# Allegro board 6089-103-RevB_76.brd (continued)
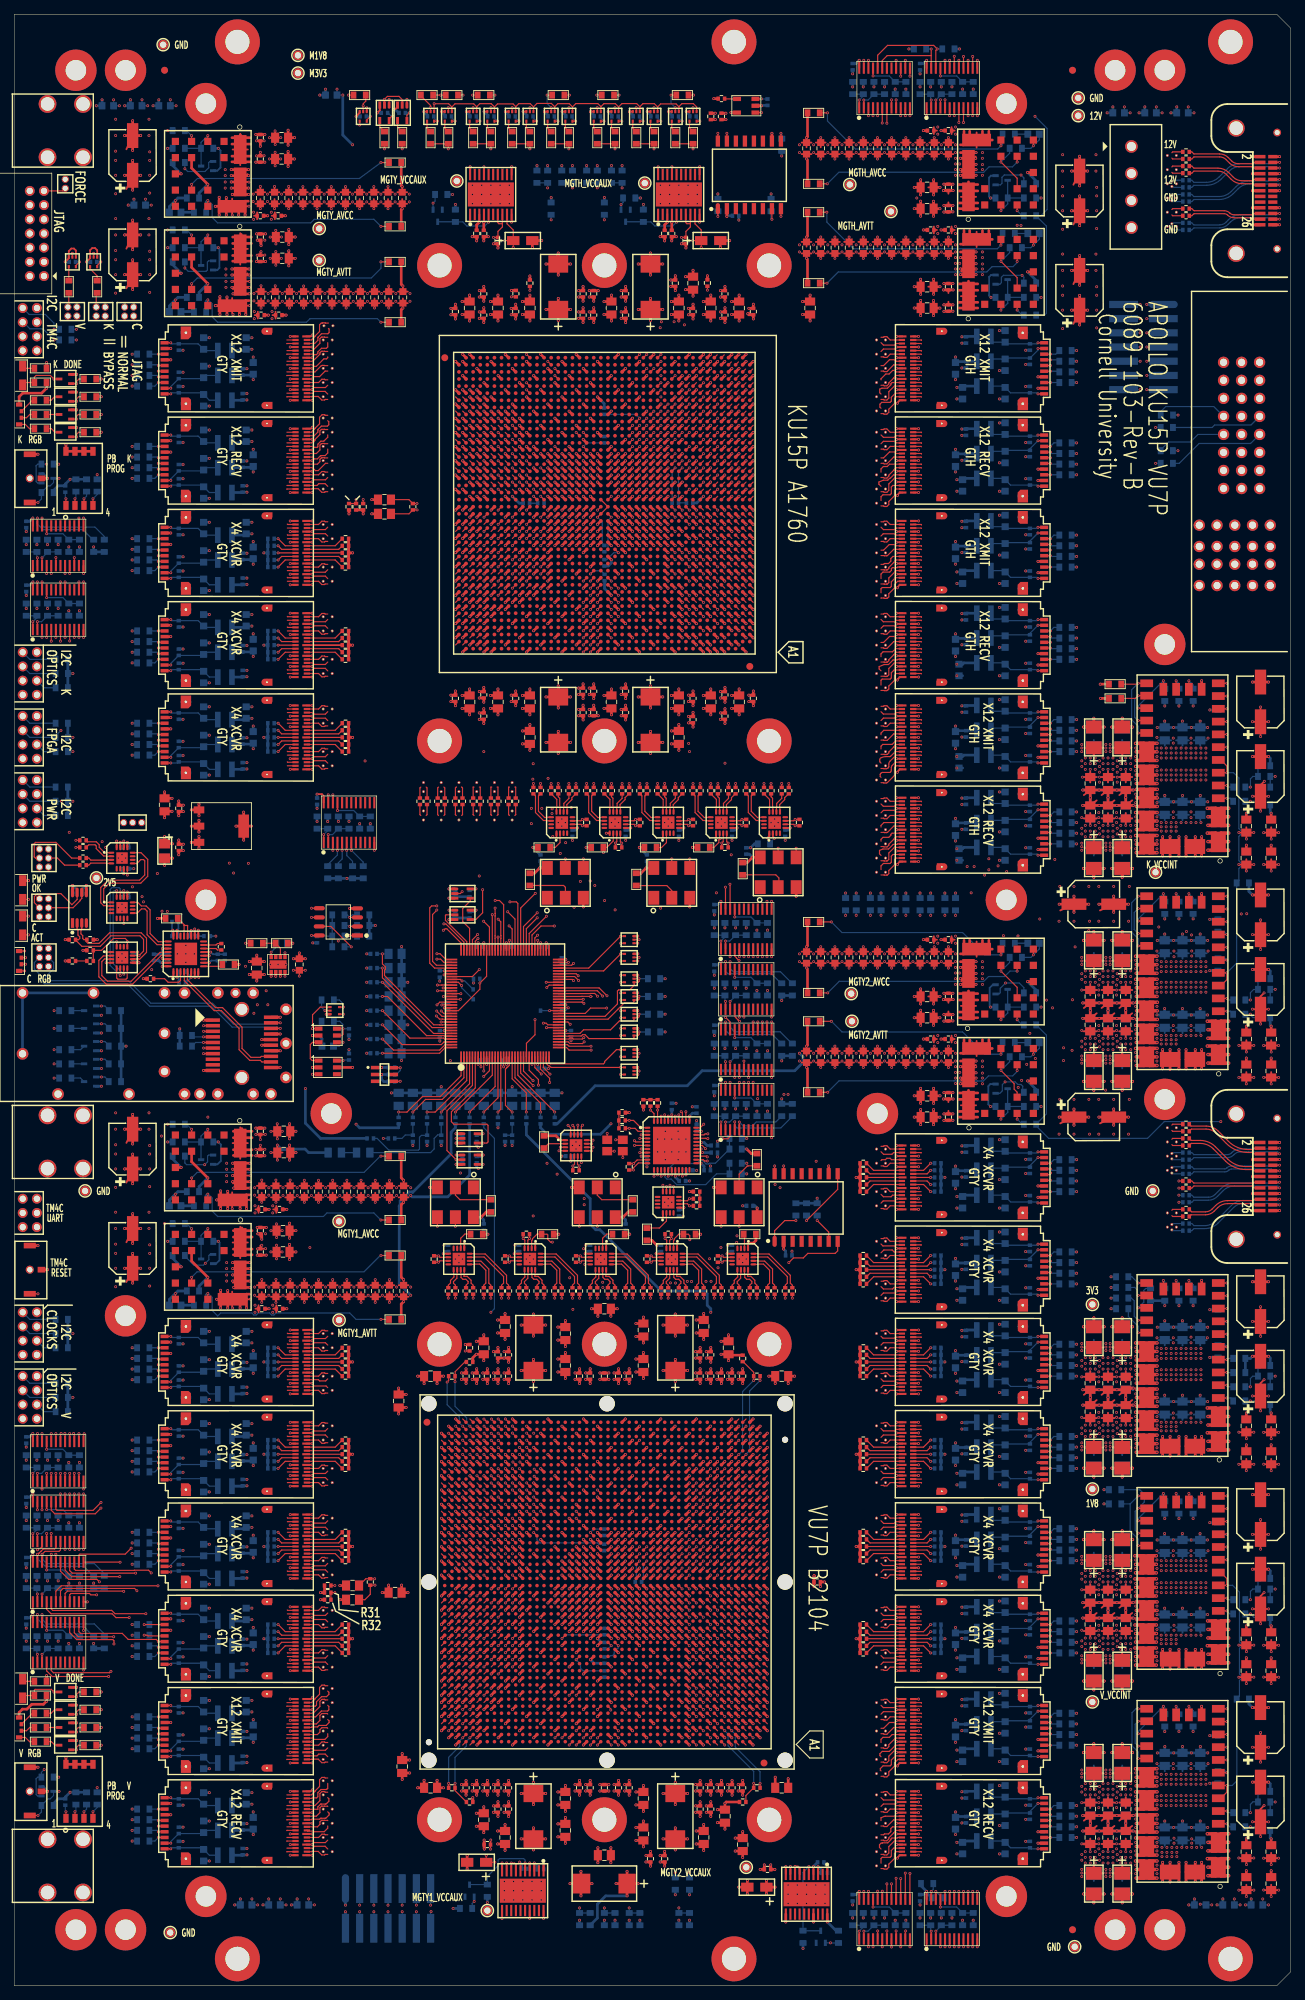
[diagram p0: board, top side]
## Routing (per net, layer and track width the routed paths; a pad name or vN(x,y) marks a point on that pad's centre or on a via; arc(x,y) is an arc through that point) (continued)
PK_FF1_RECV7: length 49.8
  TOP w0.165: U65.H2 103.17,194.93 ; U109.B9 127.85,162.4 127.9,162.35 127.9,162.38
  SIG2 w0.083: 103.17,194.93 103.49,194.93 103.57,195.01 103.57,195.25 arc(103.59,195.37) 103.65,195.46 103.69,195.49 arc(103.78,195.56) 103.9,195.58 104.39,195.58 arc(104.61,195.54) 104.8,195.41 107.98,192.23 arc(108.69,191.18) 108.93,189.93 108.93,186.09 arc(109.27,184.38) 110.24,182.93 112.59,180.57 arc(113.73,178.87) 114.13,176.86 114.13,171.26 arc(114.43,169.75) 115.29,168.47 121.43,162.33 arc(121.66,162.18) 121.93,162.12 124.94,162.12 arc(125.49,162.17) 126.03,162.32 arc(126.09,162.34) 126.16,162.36 arc(126.23,162.38) 126.3,162.38 127.9,162.38
PK_FF1_RECV8: length 51.6
  TOP w0.165: 122.2,159.28 121.99,159.49 121.99,159.98 122.46,160.17 123.26,160.17 123.91,160.82 124.47,160.82 124.55,160.9 U109.A6 ; U65.G4 101.17,193.93
  SIG4 w0.083: 101.17,193.93 101.49,193.93 101.57,194.01 101.57,194.16 arc(101.59,194.27) 101.65,194.36 101.7,194.41 arc(101.79,194.47) 101.91,194.5 104.28,194.5 arc(104.58,194.44) 104.83,194.27 106.99,192.11 arc(108,190.6) 108.35,188.82 108.35,188.3 arc(108.64,186.82) 109.49,185.56 113.32,181.73 arc(114.13,180.52) 114.41,179.09 114.41,167.19 arc(114.71,165.68) 115.57,164.39 120.91,159.05 arc(120.95,159.02) 121.01,159.01 121.11,159.01 arc(121.15,159.02) 121.17,159.03 121.32,159.18 arc(121.42,159.25) 121.54,159.27 122.19,159.27 122.2,159.28
PK_FF1_RECV9: length 50.2
  TOP w0.165: U65.F2 103.17,192.93 ; U109.B6 127.85,160.9 127.9,160.85 127.9,160.88
  SIG2 w0.083: 127.9,160.88 127.61,160.88 127.45,160.72 124.65,160.72 arc(124.26,160.64) 123.93,160.43 123.86,160.35 arc(123.6,160.18) 123.31,160.12 122.15,160.12 arc(121.76,160.2) 121.42,160.42 113.57,168.27 arc(112.92,169.24) 112.7,170.38 112.7,170.38 112.7,177.53 arc(112.45,178.79) 111.73,179.87 109.14,182.45 arc(108.13,183.96) 107.78,185.75 107.78,189.63 arc(107.59,190.58) 107.06,191.38 105.18,193.26 arc(104.82,193.5) 104.41,193.58 103.9,193.58 arc(103.78,193.56) 103.69,193.49 103.65,193.46 arc(103.59,193.37) 103.57,193.25 103.57,193.01 103.49,192.93 103.17,192.93
PK_FF1_RECV10: length 52.3
  TOP w0.165: U109.A3 123.89,159.4 123.65,159.16 123.65,158.31 123.48,158.14 122.54,158.14 122.2,157.8 122.2,157.28 ; U65.E4 101.17,191.93
  SIG4 w0.083: 122.2,157.28 121.42,157.28 arc(121.29,157.26) 121.17,157.19 121.08,157.11 arc(121,157.06) 120.91,157.04 120.55,157.04 arc(120.49,157.05) 120.43,157.09 114.52,163 arc(113.52,164.04) 112.58,165.13 111.11,166.89 arc(110.7,167.5) 110.41,168.17 110.32,168.49 arc(110.08,169.52) 110,170.58 110,179.12 arc(109.74,180.44) 108.99,181.56 105.96,184.59 arc(105.33,185.53) 105.11,186.65 105.11,191.75 arc(105.06,191.99) 104.93,192.18 104.69,192.42 arc(104.54,192.52) 104.36,192.56 101.86,192.56 101.76,192.52 101.73,192.52 101.71,192.5 arc(101.69,192.47) 101.67,192.45 arc(101.6,192.31) 101.57,192.15 101.57,192.01 101.49,191.93 101.17,191.93
PK_FF1_RECV11: length 50.4
  TOP w0.165: 127.9,159.38 127.9,159.35 127.85,159.4 U109.B3 ; U65.D2 103.17,190.93
  SIG2 w0.083: 103.17,190.93 103.49,190.93 103.57,191.01 103.57,191.23 arc(103.59,191.34) 103.65,191.44 103.69,191.47 arc(103.78,191.53) 103.9,191.56 104.43,191.56 arc(104.63,191.52) 104.79,191.41 104.83,191.37 arc(104.98,191.14) 105.04,190.87 105.04,186.27 arc(105.28,185.07) 105.96,184.05 110.52,179.48 arc(111.24,178.4) 111.5,177.12 111.5,169.21 arc(111.68,168.31) 112.19,167.55 121.27,158.47 arc(121.68,158.2) 122.15,158.1 122.65,158.1 arc(123.36,158.24) 123.96,158.64 124.03,158.72 arc(124.59,159.09) 125.26,159.22 127.45,159.22 127.61,159.38 127.9,159.38
PK_FF1_XMIT0: length 44.3
  TOP w0.165: U108.B18 127.85,179.9 127.9,179.85 127.9,179.88 ; U65.R8 97.17,201.93
  SIG3 w0.083: 127.9,179.88 127.74,179.72 125.01,179.72 arc(124.61,179.8) 124.27,180.03 123.67,180.63 arc(123.39,180.82) 123.05,180.88 122.82,180.88 arc(122.53,180.94) 122.3,181.1 118.56,184.84 arc(117.9,185.82) 117.67,186.97 117.67,188.4 arc(117.49,189.34) 116.95,190.14 104.92,202.17 arc(104.58,202.4) 104.17,202.48 97.97,202.48 arc(97.86,202.46) 97.76,202.4 97.74,202.37 arc(97.67,202.27) 97.65,202.16 97.65,201.94 97.64,201.93 97.17,201.93
PK_FF1_XMIT1: length 39.8
  TOP w0.165: U108.A18 123.49,179.9 123.03,180.36 122.64,180.36 122.56,180.28 122.2,180.28 ; U65.P6 99.17,200.93
  SIG1 w0.083: 99.17,200.93 99.49,200.93 99.57,201.01 99.57,201.25 arc(99.59,201.37) 99.65,201.46 99.69,201.49 arc(99.78,201.56) 99.9,201.58 104.43,201.58 arc(105.64,201.34) 106.66,200.65 115.84,191.48 arc(117.3,189.3) 117.81,186.72 117.81,183.76 arc(118.02,182.72) 118.6,181.84 120.3,180.15 arc(120.48,180.03) 120.7,179.98 120.89,179.98 arc(121.04,180.01) 121.17,180.1 121.25,180.18 arc(121.36,180.25) 121.5,180.28 122.2,180.28
PK_FF1_XMIT2: length 44.5
  TOP w0.165: U65.N8 97.17,199.93 ; U108.B15 127.85,178.4 127.9,178.35 127.9,178.38
  SIG3 w0.083: 97.17,199.93 97.49,199.93 97.57,200.01 97.57,200.16 arc(97.57,200.23) 97.59,200.31 arc(97.61,200.37) 97.64,200.42 arc(97.75,200.54) 97.91,200.58 103.93,200.58 arc(104.47,200.47) 104.94,200.16 115.25,189.85 arc(115.93,188.83) 116.17,187.63 116.17,185.73 arc(116.4,184.58) 117.05,183.6 121.3,179.35 arc(121.67,179.11) 122.1,179.02 123.39,179.02 arc(123.75,178.95) 124.05,178.75 124.33,178.46 arc(124.6,178.28) 124.91,178.22 127.71,178.22 127.87,178.38 127.9,178.38
PK_FF1_XMIT3: length 39.8
  TOP w0.165: U108.A15 124.34,178.4 124.12,178.62 122.54,178.62 122.2,178.28 ; U65.M6 99.17,198.93
  SIG1 w0.083: 99.17,198.93 99.49,198.93 99.57,199.01 99.57,199.22 arc(99.59,199.34) 99.65,199.43 99.69,199.46 arc(99.78,199.53) 99.9,199.55 103.93,199.55 arc(104.18,199.52) 104.43,199.45 105.94,198.83 arc(106.52,198.51) 107.04,198.09 114.57,190.56 arc(114.58,190.55) 114.59,190.54 arc(115.61,189.02) 115.97,187.22 115.97,183.83 arc(116.27,182.31) 117.13,181.02 119.94,178.21 arc(120.19,178.04) 120.49,177.98 120.92,177.98 arc(121.04,178.01) 121.14,178.08 121.26,178.19 arc(121.36,178.26) 121.48,178.28 122.2,178.28
PK_FF1_XMIT4: length 44.4
  TOP w0.165: U108.B12 127.85,176.9 127.9,176.85 127.9,176.88 ; U65.L8 97.17,197.93
  SIG3 w0.083: 127.9,176.88 127.74,176.72 123.63,176.72 arc(123.49,176.75) 123.37,176.83 123.33,176.87 arc(123.16,176.98) 122.95,177.03 121.81,177.03 arc(121.64,177.06) 121.49,177.16 115.46,183.19 arc(114.9,184.03) 114.7,185.03 114.7,187.32 arc(114.48,188.43) 113.85,189.38 105.05,198.18 arc(104.69,198.42) 104.27,198.5 97.9,198.5 arc(97.78,198.48) 97.69,198.41 97.65,198.38 arc(97.59,198.28) 97.57,198.17 97.57,198.01 97.49,197.93 97.17,197.93
PK_FF1_XMIT5: length 40
  TOP w0.165: 122.2,176.28 122.2,176.51 122.59,176.9 U108.A12 ; U65.K6 99.17,196.93
  SIG1 w0.083: 122.2,176.28 121.43,176.28 arc(121.34,176.26) 121.26,176.21 121.13,176.08 arc(121.01,176) 120.86,175.97 120.66,175.97 arc(120.3,176.04) 120,176.24 115.43,180.82 arc(114.51,182.19) 114.19,183.82 114.19,187.28 arc(113.84,189) 112.87,190.46 arc(112.86,190.46) 112.85,190.47 107.2,196.13 arc(106.68,196.55) 106.09,196.87 105.11,197.27 arc(104.46,197.47) 103.77,197.54 99.83,197.54 arc(99.71,197.52) 99.62,197.45 99.59,197.42 arc(99.52,197.33) 99.5,197.21 99.5,197.03 99.4,196.93 99.17,196.93
PK_FF1_XMIT6: length 44.4
  TOP w0.165: U65.J8 97.21,195.89 ; U108.B9 127.89,175.4
  SIG3 w0.083: 97.21,195.89 97.52,195.89 97.6,195.97 97.6,196.21 arc(97.63,196.36) 97.71,196.48 97.72,196.49 arc(97.82,196.56) 97.94,196.58 103.94,196.58 arc(104.75,196.42) 105.43,195.96 111.88,189.51 arc(112.72,188.26) 113.01,186.79 113.01,184.81 arc(113.2,183.85) 113.74,183.04 121.59,175.2 arc(121.74,175.09) 121.91,175.06 122.48,175.06 arc(122.56,175.07) 122.62,175.11 122.63,175.13 arc(122.75,175.21) 122.89,175.24 127.73,175.24 127.89,175.4
PK_FF1_XMIT7: length 40.3
  TOP w0.165: U65.H6 99.17,194.93 ; 122.2,174.28 122.2,174.67 122.45,174.92 123.77,174.92 124.25,175.4 U108.A9
  SIG1 w0.083: 122.2,174.28 121.44,174.28 arc(121.33,174.26) 121.24,174.2 121.14,174.1 arc(121.04,174.03) 120.93,174.01 120.71,174.01 arc(120.27,174.1) 119.9,174.34 113.48,180.77 arc(112.53,182.18) 112.2,183.86 112.2,187.25 arc(111.83,189.12) 110.76,190.71 arc(110.75,190.72) 110.75,190.73 107.19,194.28 arc(106.73,194.67) 106.19,194.95 105.22,195.36 arc(104.78,195.49) 104.32,195.53 99.9,195.53 arc(99.78,195.51) 99.69,195.45 99.65,195.42 arc(99.59,195.32) 99.57,195.21 99.57,195.01 99.49,194.93 99.17,194.93
PK_FF1_XMIT8: length 47.3
  TOP w0.165: 127.9,173.88 127.9,173.85 127.85,173.9 U108.B6 ; U65.H10 95.17,194.93
  SIG3 w0.083: 127.9,173.88 127.69,173.68 123.9,173.68 arc(123.51,173.6) 123.18,173.38 123.02,173.22 arc(122.81,173.08) 122.56,173.03 122.02,173.03 arc(121.74,173.09) 121.49,173.25 112.1,182.64 arc(111.55,183.46) 111.36,184.43 111.36,187.21 111.38,187.25 111.36,187.29 110.55,189.33 110.55,189.34 110.52,189.36 110.52,189.43 107.3,192.65 104.63,195.32 arc(104.38,195.49) 104.08,195.54 95.9,195.54 arc(95.78,195.52) 95.69,195.46 95.68,195.45 arc(95.61,195.35) 95.59,195.24 95.59,195.03 95.49,194.93 95.17,194.93
PK_FF1_XMIT9: length 43.8
  TOP w0.165: U108.A6 124.35,173.9 arc(124.22,173.87) 124.11,173.8 123.55,173.24 arc(123.5,173.21) 123.44,173.2 122.87,173.2 arc(122.55,173.16) 122.24,173.05 arc(122.08,172.94) 122.02,172.76 122.02,172.53 arc(122.03,172.47) 122.07,172.41 122.2,172.28 ; U65.G8 97.17,193.93
  SIG1 w0.083: 97.17,193.93 97.49,193.93 97.57,194.01 97.57,194.35 97.77,194.56 104.15,194.56 arc(105.06,194.38) 105.84,193.86 109.48,190.22 arc(110.42,188.81) 110.75,187.15 110.75,183.13 arc(111.13,181.2) 112.22,179.57 119.45,172.35 arc(119.83,172.09) 120.28,172 120.84,172 arc(120.98,172.03) 121.11,172.12 121.16,172.17 arc(121.28,172.25) 121.44,172.28 122.2,172.28
PK_FF1_XMIT10: length 43.8
  TOP w0.165: U65.F6 99.17,192.93 ; 127.9,172.38 127.9,172.35 127.85,172.4 U108.B3
  SIG3 w0.083: 127.9,172.38 127.74,172.22 124.18,172.22 arc(123.85,172.16) 123.57,171.97 122.84,171.24 arc(122.63,171.1) 122.39,171.05 121.94,171.05 arc(121.75,171.09) 121.59,171.19 110.59,182.2 arc(110.19,182.79) 110.05,183.49 110.05,186.75 arc(109.79,188.07) 109.04,189.19 105.06,193.17 arc(104.61,193.47) 104.06,193.58 99.94,193.58 arc(99.68,193.47) 99.57,193.21 99.57,193.01 99.49,192.93 99.17,192.93
PK_FF1_XMIT11: length 46.9
  TOP w0.165: U65.F10 95.17,192.93 ; 122.2,170.28 122.08,170.4 122.08,170.68 arc(122.1,170.74) 122.13,170.79 122.22,170.88 arc(122.31,170.94) 122.42,170.96 123.43,170.96 arc(123.51,170.99) 123.58,171.05 arc(123.63,171.17) 123.65,171.31 123.65,171.64 arc(123.68,171.8) 123.77,171.94 124.13,172.3 arc(124.24,172.37) 124.37,172.4 U108.A3
  SIG1 w0.083: 122.2,170.28 121.49,170.28 arc(121.36,170.26) 121.26,170.19 121.16,170.09 arc(121.07,170.03) 120.96,170 120.41,170 arc(119.84,170.12) 119.35,170.44 110.6,179.2 arc(109.5,180.85) 109.11,182.79 109.11,187.37 arc(108.83,188.78) 108.03,189.98 104.87,193.14 arc(104.42,193.44) 103.9,193.54 95.9,193.54 arc(95.78,193.52) 95.69,193.45 95.65,193.42 arc(95.59,193.33) 95.57,193.21 95.57,193.01 95.49,192.93 95.17,192.93
PK_FF2_RECV0: length 39
  TOP w0.165: U107.A18 123.49,192.9 123.03,193.36 122.64,193.36 122.56,193.28 122.2,193.28 ; U65.AG4 101.17,214.87
  SIG4 w0.083: 101.17,214.87 101.49,214.87 101.57,214.96 101.57,215.15 arc(101.67,215.4) 101.92,215.5 105.21,215.5 arc(106.04,215.33) 106.75,214.86 119.15,202.46 arc(119.99,201.2) 120.29,199.71 120.29,193.81 arc(120.35,193.45) 120.53,193.14 arc(120.66,193.04) 120.82,193 121,193 arc(121.1,193.02) 121.18,193.08 121.3,193.2 arc(121.4,193.26) 121.51,193.28 122.2,193.28
PK_FF2_RECV1: length 37.8
  TOP w0.165: 127.9,192.88 127.9,192.85 127.85,192.9 U107.B18 ; U65.AF2 103.17,213.87
  SIG2 w0.083: 103.17,213.87 103.49,213.87 103.57,213.96 103.57,214.17 arc(103.59,214.29) 103.65,214.38 103.69,214.41 arc(103.78,214.48) 103.9,214.5 104.85,214.5 arc(105.82,214.31) 106.64,213.76 118.89,201.51 arc(119.7,200.29) 119.99,198.86 119.99,197.95 arc(120.29,196.45) 121.14,195.18 arc(121.79,194.74) 122.56,194.59 arc(123.94,194.31) 125.1,193.53 125.7,192.93 arc(125.98,192.74) 126.31,192.68 127.4,192.68 127.61,192.88 127.9,192.88
PK_FF2_RECV2: length 39
  TOP w0.165: 122.2,191.28 122.54,191.62 124.12,191.62 124.34,191.4 U107.A15 ; U65.AE4 101.17,212.87
  SIG4 w0.083: 122.2,191.28 121.48,191.28 arc(121.36,191.26) 121.25,191.19 121.14,191.07 arc(121.04,191.01) 120.92,190.98 120.74,190.98 arc(120.49,191.03) 120.28,191.17 119.84,191.61 arc(119.47,192.17) 119.33,192.83 119.33,198.77 arc(119.12,199.85) 118.51,200.76 106.31,212.96 arc(105.69,213.38) 104.95,213.53 101.9,213.53 arc(101.67,213.43) 101.57,213.19 101.57,213 arc(101.53,212.91) 101.44,212.87 101.17,212.87
PK_FF2_RECV3: length 38.4
  TOP w0.165: U65.AD2 103.17,211.87 ; 127.9,191.38 127.9,191.35 127.85,191.4 U107.B15
  SIG2 w0.083: 127.9,191.38 127.46,191.38 127.29,191.22 124.89,191.22 arc(124.61,191.27) 124.37,191.43 124.05,191.75 arc(123.73,191.96) 123.35,192.04 121.74,192.04 arc(121.37,192.11) 121.06,192.32 120.5,192.88 arc(120.03,193.45) 119.69,194.11 119.07,195.63 arc(118.79,196.6) 118.69,197.61 118.69,198.44 arc(118.39,199.94) 117.54,201.22 106.99,211.76 arc(106.15,212.33) 105.15,212.53 103.9,212.53 arc(103.78,212.51) 103.69,212.44 103.65,212.41 arc(103.59,212.31) 103.57,212.2 103.57,211.96 103.49,211.87 103.17,211.87
PK_FF2_RECV4: length 38.7
  TOP w0.165: 122.2,189.28 122.56,189.28 123.4,190.12 124.12,190.12 124.34,189.9 U107.A12 ; U65.AC4 101.17,210.87
  SIG4 w0.083: 101.17,210.87 101.49,210.87 101.57,210.96 101.57,211.16 arc(101.68,211.42) 101.93,211.53 104.67,211.53 arc(105.28,211.41) 105.78,211.07 117.28,199.57 arc(117.87,198.69) 118.07,197.65 118.07,193.58 arc(118.4,191.96) 119.31,190.58 120.86,189.03 arc(120.89,189.02) 120.92,189.01 121.02,189.01 arc(121.05,189.02) 121.07,189.03 121.24,189.2 arc(121.33,189.26) 121.44,189.28 122.2,189.28
PK_FF2_RECV5: length 38.5
  TOP w0.165: 127.9,189.88 127.9,189.85 127.85,189.9 U107.B12 ; U65.AB2 103.17,209.87
  SIG2 w0.083: 127.9,189.88 127.72,189.7 125.34,189.7 arc(125.31,189.71) 125.28,189.73 125.13,189.88 arc(125.01,189.96) 124.87,189.98 121.86,189.98 arc(121.51,190.05) 121.22,190.25 118.85,192.62 arc(118.55,192.98) 118.34,193.39 117.91,194.45 arc(117.58,195.59) 117.46,196.77 117.46,197.98 arc(117.14,199.59) 116.23,200.95 107.28,209.9 arc(106.59,210.36) 105.77,210.53 103.9,210.53 arc(103.78,210.51) 103.69,210.44 103.66,210.41 arc(103.59,210.31) 103.57,210.19 103.57,209.96 103.49,209.87 103.17,209.87
PK_FF2_RECV6: length 37.5
  TOP w0.165: 122.2,187.28 122.2,187.67 122.49,187.96 123.81,187.96 124.25,188.4 U107.A9 ; U65.AA4 101.17,207.93
  SIG4 w0.083: 122.2,187.28 121.49,187.28 arc(121.33,187.25) 121.2,187.16 121.12,187.08 arc(121.08,187.05) 121.03,187.04 120.52,187.04 arc(120.41,187.06) 120.31,187.13 118.37,189.07 arc(118.32,189.12) 118.27,189.17 arc(117.18,190.87) 116.8,192.86 116.8,194.75 arc(116.55,195.98) 115.86,197.03 104.52,208.37 arc(104.29,208.52) 104.03,208.57 101.92,208.57 arc(101.67,208.47) 101.57,208.22 101.57,208.01 101.49,207.93 101.17,207.93
PK_FF2_RECV7: length 36.5
  TOP w0.165: U107.B9 127.85,188.4 127.9,188.35 127.9,188.38 ; U65.Y2 103.17,206.93
  SIG2 w0.083: 103.17,206.93 103.49,206.93 103.57,207.01 103.57,207.2 arc(103.59,207.32) 103.65,207.41 103.69,207.45 arc(103.78,207.51) 103.9,207.53 104.42,207.53 arc(104.56,207.5) 104.69,207.42 115.38,196.73 arc(115.97,195.85) 116.17,194.8 116.17,194.32 arc(116.36,193.37) 116.9,192.57 121.16,188.31 arc(121.45,188.12) 121.78,188.05 125.45,188.05 arc(125.52,188.06) 125.59,188.11 125.6,188.12 arc(125.71,188.19) 125.85,188.22 127.45,188.22 127.61,188.38 127.9,188.38
PK_FF2_RECV8: length 37.9
  TOP w0.165: U65.W4 101.17,205.93 ; U107.A6 124.55,186.9 124.47,186.82 123.91,186.82 123.26,186.17 122.64,186.17 121.94,185.88 121.94,185.55 122.2,185.28
  SIG4 w0.083: 122.2,185.28 121.59,185.28 arc(121.43,185.25) 121.3,185.16 121.16,185.02 arc(121.1,184.98) 121.03,184.97 120.93,184.97 arc(120.86,184.99) 120.79,185.03 117.18,188.64 arc(115.97,190.45) 115.55,192.58 115.55,193.56 arc(115.2,195.31) 114.21,196.8 104.7,206.31 arc(104.5,206.44) 104.27,206.49 101.9,206.49 arc(101.79,206.47) 101.7,206.4 101.65,206.36 arc(101.59,206.26) 101.57,206.15 101.57,206.01 101.49,205.93 101.17,205.93
PK_FF2_RECV9: length 36.6
  TOP w0.165: 127.9,186.88 127.9,186.85 127.85,186.9 U107.B6 ; U65.V2 103.17,204.93
  SIG2 w0.083: 127.9,186.88 127.61,186.88 127.45,186.72 124.57,186.72 arc(124.19,186.65) 123.87,186.43 123.67,186.24 arc(123.42,186.07) 123.12,186.01 121.96,186.01 arc(121.56,186.09) 121.22,186.31 115.84,191.69 arc(115.21,192.6) 114.93,193.67 arc(114.82,194.39) 114.6,195.08 114.59,195.11 arc(114.19,195.84) 113.66,196.49 104.74,205.42 arc(104.55,205.54) 104.34,205.58 103.9,205.58 arc(103.78,205.56) 103.69,205.49 103.65,205.46 arc(103.59,205.37) 103.57,205.25 103.57,205.01 103.49,204.93 103.17,204.93
PK_FF2_RECV10: length 38.5
  TOP w0.165: U65.U4 101.17,203.93 ; 122.2,183.28 122.2,183.95 122.37,184.12 123.48,184.12 123.65,184.28 123.65,185 124.05,185.4 U107.A3
  SIG4 w0.083: 122.2,183.28 121.53,183.28 arc(121.43,183.26) 121.34,183.2 121.18,183.04 arc(121.12,183) 121.05,182.99 120.94,182.99 arc(120.84,183) 120.77,183.06 115.6,188.23 arc(114.63,189.67) 114.29,191.38 114.29,193.1 arc(113.96,194.77) 113.01,196.18 104.95,204.24 arc(104.64,204.45) 104.27,204.53 101.93,204.53 arc(101.67,204.42) 101.57,204.17 101.57,204.01 101.49,203.93 101.17,203.93
PK_FF2_RECV11: length 36.7
  TOP w0.165: 127.9,185.38 127.9,185.35 127.85,185.4 U107.B3 ; U65.T2 103.17,202.93
  SIG2 w0.083: 127.9,185.38 127.61,185.38 127.45,185.22 124.97,185.22 arc(124.57,185.14) 124.24,184.92 123.59,184.27 arc(123.33,184.1) 123.03,184.04 121.98,184.04 arc(121.59,184.12) 121.25,184.34 114.6,191 arc(113.97,191.89) 113.7,192.95 arc(113.68,193.13) 113.65,193.31 arc(113.62,193.44) 113.57,193.57 113.13,194.64 arc(112.77,195.31) 112.28,195.91 104.77,203.41 arc(104.59,203.54) 104.37,203.58 103.9,203.58 arc(103.78,203.56) 103.69,203.49 103.65,203.46 arc(103.59,203.37) 103.57,203.25 103.57,203.01 103.49,202.93 103.17,202.93
PK_FF2_XMIT0: length 36.8
  TOP w0.165: U65.AG8 97.17,214.87 ; U106.B18 127.85,205.9 127.9,205.85 127.9,205.88
  SIG3 w0.083: 127.9,205.88 127.74,205.72 125.2,205.72 arc(124.63,205.83) 124.14,206.16 123.35,206.95 arc(122.62,207.44) 121.76,207.61 114.25,207.61 arc(113,207.86) 111.94,208.57 105.94,214.57 arc(104.88,215.28) 103.63,215.53 103.32,215.53 97.99,215.53 arc(97.88,215.51) 97.78,215.44 97.65,215.31 arc(97.59,215.22) 97.57,215.1 97.57,214.85 97.19,214.85 97.17,214.87
PK_FF2_XMIT1: length 30.8
  TOP w0.165: U106.A18 123.49,205.9 123.03,206.36 122.64,206.36 122.56,206.28 122.2,206.28 ; U65.AF6 99.17,213.87
  SIG1 w0.083: 122.2,206.28 121.36,206.28 arc(121.19,206.25) 121.05,206.15 121.04,206.14 arc(120.88,206.04) 120.7,206 120.14,206 arc(119.48,206.13) 118.93,206.5 111.79,213.64 arc(110.88,214.25) 109.81,214.46 99.97,214.46 arc(99.86,214.44) 99.76,214.38 99.73,214.34 arc(99.67,214.25) 99.64,214.14 99.64,213.81 99.23,213.81 99.17,213.87
PK_FF2_XMIT2: length 36.7
  TOP w0.165: 127.9,204.38 127.9,204.35 127.85,204.4 U106.B15 ; U65.AE8 97.17,212.87
  SIG3 w0.083: 97.17,212.87 97.24,212.81 97.6,212.81 97.6,213.16 arc(97.62,213.27) 97.68,213.36 97.76,213.44 arc(97.86,213.51) 97.97,213.53 103.96,213.53 arc(105.01,213.32) 105.9,212.72 112.36,206.26 arc(113.71,205.36) 115.29,205.05 122.64,205.05 arc(123.06,204.96) 123.43,204.72 123.54,204.61 arc(123.97,204.32) 124.48,204.22 127.74,204.22 127.9,204.38
PK_FF2_XMIT3: length 30.6
  TOP w0.165: 122.2,204.28 122.51,204.59 124.15,204.59 124.34,204.4 U106.A15 ; U65.AD6 99.17,211.87
  SIG1 w0.083: 122.2,204.28 121.41,204.28 arc(121.24,204.25) 121.09,204.15 121.03,204.09 arc(120.89,203.99) 120.71,203.96 120.1,203.96 arc(119.19,204.14) 118.41,204.66 111.8,211.27 arc(110.51,212.13) 108.99,212.43 99.84,212.43 arc(99.72,212.41) 99.63,212.34 99.58,212.29 99.49,212.09 99.49,211.85 99.2,211.85 99.17,211.87
PK_FF2_XMIT4: length 36.5
  TOP w0.165: 127.9,202.88 127.9,202.85 127.85,202.9 U106.B12 ; U65.AC8 97.17,210.87
  SIG3 w0.083: 97.17,210.87 97.55,210.87 97.57,210.89 97.57,211.17 arc(97.59,211.29) 97.65,211.38 97.69,211.41 arc(97.78,211.48) 97.89,211.5 104.27,211.5 arc(105.25,211.31) 106.08,210.75 112.85,203.98 arc(113.81,203.34) 114.95,203.11 123.6,203.11 arc(123.82,203.07) 124.01,202.94 124.08,202.87 arc(124.24,202.76) 124.44,202.72 127.74,202.72 127.9,202.88
PK_FF2_XMIT5: length 30.8
  TOP w0.165: U65.AB6 99.17,209.87 ; 122.2,202.28 122.56,202.28 123.35,203.07 124.17,203.07 124.34,202.9 U106.A12
  SIG1 w0.083: 99.17,209.87 99.49,209.87 99.65,210.03 99.65,210.2 arc(99.67,210.31) 99.73,210.41 99.77,210.44 arc(99.86,210.51) 99.97,210.53 108.2,210.53 arc(110.03,210.16) 111.58,209.13 118.2,202.51 arc(118.81,202.1) 119.52,201.96 120.8,201.96 arc(120.89,201.98) 120.97,202.03 121.11,202.17 arc(121.23,202.25) 121.38,202.28 122.2,202.28
PK_FF2_XMIT6: length 36.3
  TOP w0.165: 127.9,201.38 127.9,201.35 127.85,201.4 U106.B9 ; U65.AA8 97.17,207.93
  SIG3 w0.083: 127.9,201.38 127.74,201.22 124.2,201.22 arc(123.99,201.18) 123.81,201.06 123.73,200.98 arc(123.64,200.92) 123.54,200.9 113.36,200.9 arc(112.57,201.06) 111.91,201.5 105.07,208.34 arc(105.02,208.39) 104.96,208.43 arc(104.9,208.46) 104.85,208.48 arc(104.77,208.5) 104.69,208.51 97.93,208.51 arc(97.7,208.41) 97.6,208.18 97.6,207.93 97.17,207.93
PK_FF2_XMIT7: length 30.6
  TOP w0.165: U65.Y6 99.17,206.93 ; U106.A9 123.88,201.4 123.58,201.11 123.58,200.73 123.26,200.4 122.68,200.4 122.56,200.28 122.2,200.28
  SIG1 w0.083: 99.17,206.93 99.57,206.93 99.58,206.94 99.58,207.16 arc(99.6,207.27) 99.67,207.36 99.7,207.4 arc(99.8,207.46) 99.91,207.48 102.4,207.48 102.94,207.48 102.94,207.48 103.4,207.48 103.94,207.48 103.94,207.48 104.4,207.48 108.7,207.48 arc(110.61,207.08) 112.23,205.98 117.62,200.59 arc(118.26,200.16) 119.02,200.01 120.68,200.01 arc(120.79,200.03) 120.89,200.1 120.95,200.16 arc(121.09,200.25) 121.25,200.28 122.2,200.28
PK_FF2_XMIT8: length 36.4
  TOP w0.165: U65.W8 97.17,205.93 ; U106.B6 127.85,199.9 127.9,199.85 127.9,199.88
  SIG3 w0.083: 97.17,205.93 97.19,205.91 97.64,205.91 97.64,206.22 arc(97.67,206.34) 97.73,206.43 97.76,206.46 arc(97.86,206.53) 97.97,206.55 103.9,206.55 arc(104.5,206.43) 105,206.1 110.89,200.21 arc(112.34,199.24) 114.05,198.9 122.43,198.9 arc(122.68,198.95) 122.89,199.09 123.25,199.45 arc(123.55,199.65) 123.91,199.72 127.74,199.72 127.9,199.88
PK_FF2_XMIT9: length 31.2
  TOP w0.165: U65.V6 99.17,204.93 ; U106.A6 124.55,199.9 124.47,199.82 124.15,199.82 124.15,199.82 123.8,199.82 123.66,199.67 123.66,199.42 123.43,199.2 122.48,199.2 122.2,198.92 122.2,198.28
  SIG1 w0.083: 99.17,204.93 99.42,204.93 99.49,205 99.49,205.25 arc(99.52,205.37) 99.58,205.46 99.61,205.49 arc(99.71,205.56) 99.82,205.58 108.17,205.58 arc(110.08,205.2) 111.69,204.12 117.21,198.61 arc(117.93,198.13) 118.77,197.96 120.88,197.96 arc(120.99,197.98) 121.08,198.04 121.21,198.17 arc(121.33,198.25) 121.48,198.28 122.2,198.28
PK_FF2_XMIT10: length 36.6
  TOP w0.165: U65.U8 97.17,203.93 ; U106.B3 127.85,198.4 127.9,198.35 127.9,198.38
  SIG3 w0.083: 97.17,203.93 97.58,203.93 97.6,203.95 97.6,204.22 arc(97.62,204.34) 97.69,204.43 97.72,204.46 arc(97.81,204.53) 97.93,204.55 103.98,204.55 arc(104.5,204.45) 104.94,204.15 111.31,197.79 arc(112.29,197.13) 113.45,196.9 122.53,196.9 arc(122.96,196.99) 123.33,197.23 124,197.9 arc(124.36,198.14) 124.78,198.22 127.74,198.22 127.9,198.38
PK_FF2_XMIT11: length 31.6
  TOP w0.165: U65.T6 99.17,202.93 ; 122.2,196.28 122.2,196.85 122.37,197.01 123.48,197.01 123.65,197.18 123.65,197.82 124.23,198.4 U106.A3
  SIG1 w0.083: 99.17,202.93 99.49,202.93 99.57,203.01 99.57,203.25 arc(99.59,203.37) 99.65,203.46 99.69,203.49 arc(99.78,203.56) 99.9,203.58 108.24,203.58 arc(110.07,203.22) 111.61,202.18 117.31,196.49 arc(117.87,196.12) 118.53,195.98 120.99,195.98 arc(121.11,196.01) 121.22,196.08 121.33,196.19 arc(121.43,196.26) 121.55,196.28 122.2,196.28
PK_FF3_RECV0: length 28.7
  TOP w0.165: 122.2,219.28 122.56,219.28 122.64,219.36 123.03,219.36 123.49,218.9 U105.A18 ; U65.AW4 101.17,226.87
  SIG4 w0.083: 122.2,219.28 121.41,219.28 arc(121.35,219.27) 121.3,219.24 121.09,219.02 arc(121.05,218.99) 120.99,218.98 120.9,218.98 arc(120.78,219.01) 120.67,219.08 113.01,226.74 arc(112.22,227.27) 111.29,227.45 101.92,227.45 arc(101.67,227.35) 101.57,227.1 101.57,226.96 101.49,226.87 101.17,226.87
PK_FF3_RECV1: length 30.2
  TOP w0.165: U65.AV2 103.17,225.87 ; 127.9,218.88 127.9,218.85 127.85,218.9 U105.B18
  SIG2 w0.083: 127.9,218.88 127.61,218.88 127.4,218.68 126.41,218.68 arc(126.05,218.75) 125.75,218.95 124.81,219.89 arc(124.45,220.13) 124.03,220.21 112.27,220.21 arc(111.11,220.45) 110.13,221.1 104.7,226.53 103.95,226.53 arc(103.84,226.51) 103.74,226.44 103.64,226.34 arc(103.57,226.24) 103.55,226.13 103.55,225.88 103.54,225.87 103.17,225.87
PK_FF3_RECV2: length 28.7
  TOP w0.165: U105.A15 124.34,217.4 124.12,217.62 122.54,217.62 122.2,217.28 ; U65.AU4 101.17,224.87
  SIG4 w0.083: 122.2,217.28 121.49,217.28 arc(121.45,217.28) 121.41,217.27 arc(121.34,217.24) 121.27,217.21 arc(121.24,217.19) 121.21,217.17 arc(121.01,217.05) 120.79,217.01 120.74,217.01 arc(120.65,217.03) 120.57,217.08 113.41,224.24 arc(112.03,225.16) 110.41,225.48 101.92,225.48 arc(101.8,225.46) 101.71,225.4 101.7,225.39 arc(101.62,225.27) 101.59,225.12 101.59,224.9 101.56,224.87 101.17,224.87
